# Altium PCB UNT 3-ALL.pcbdoc (part 1 of 4)
Units mm, origin at the board's own origin, x right, y up, seen from the top; angles counter-clockwise.
Board outline 81.66 x 106.01 mm, 4 copper layers (Top Layer, Mid Layer 1, Mid Layer 2, Bottom Layer), stack 0.778 mm thick; 401 components, 151 nets, 1332 pads, 708 vias.
Unrouted connection lines stored in the file: 121.
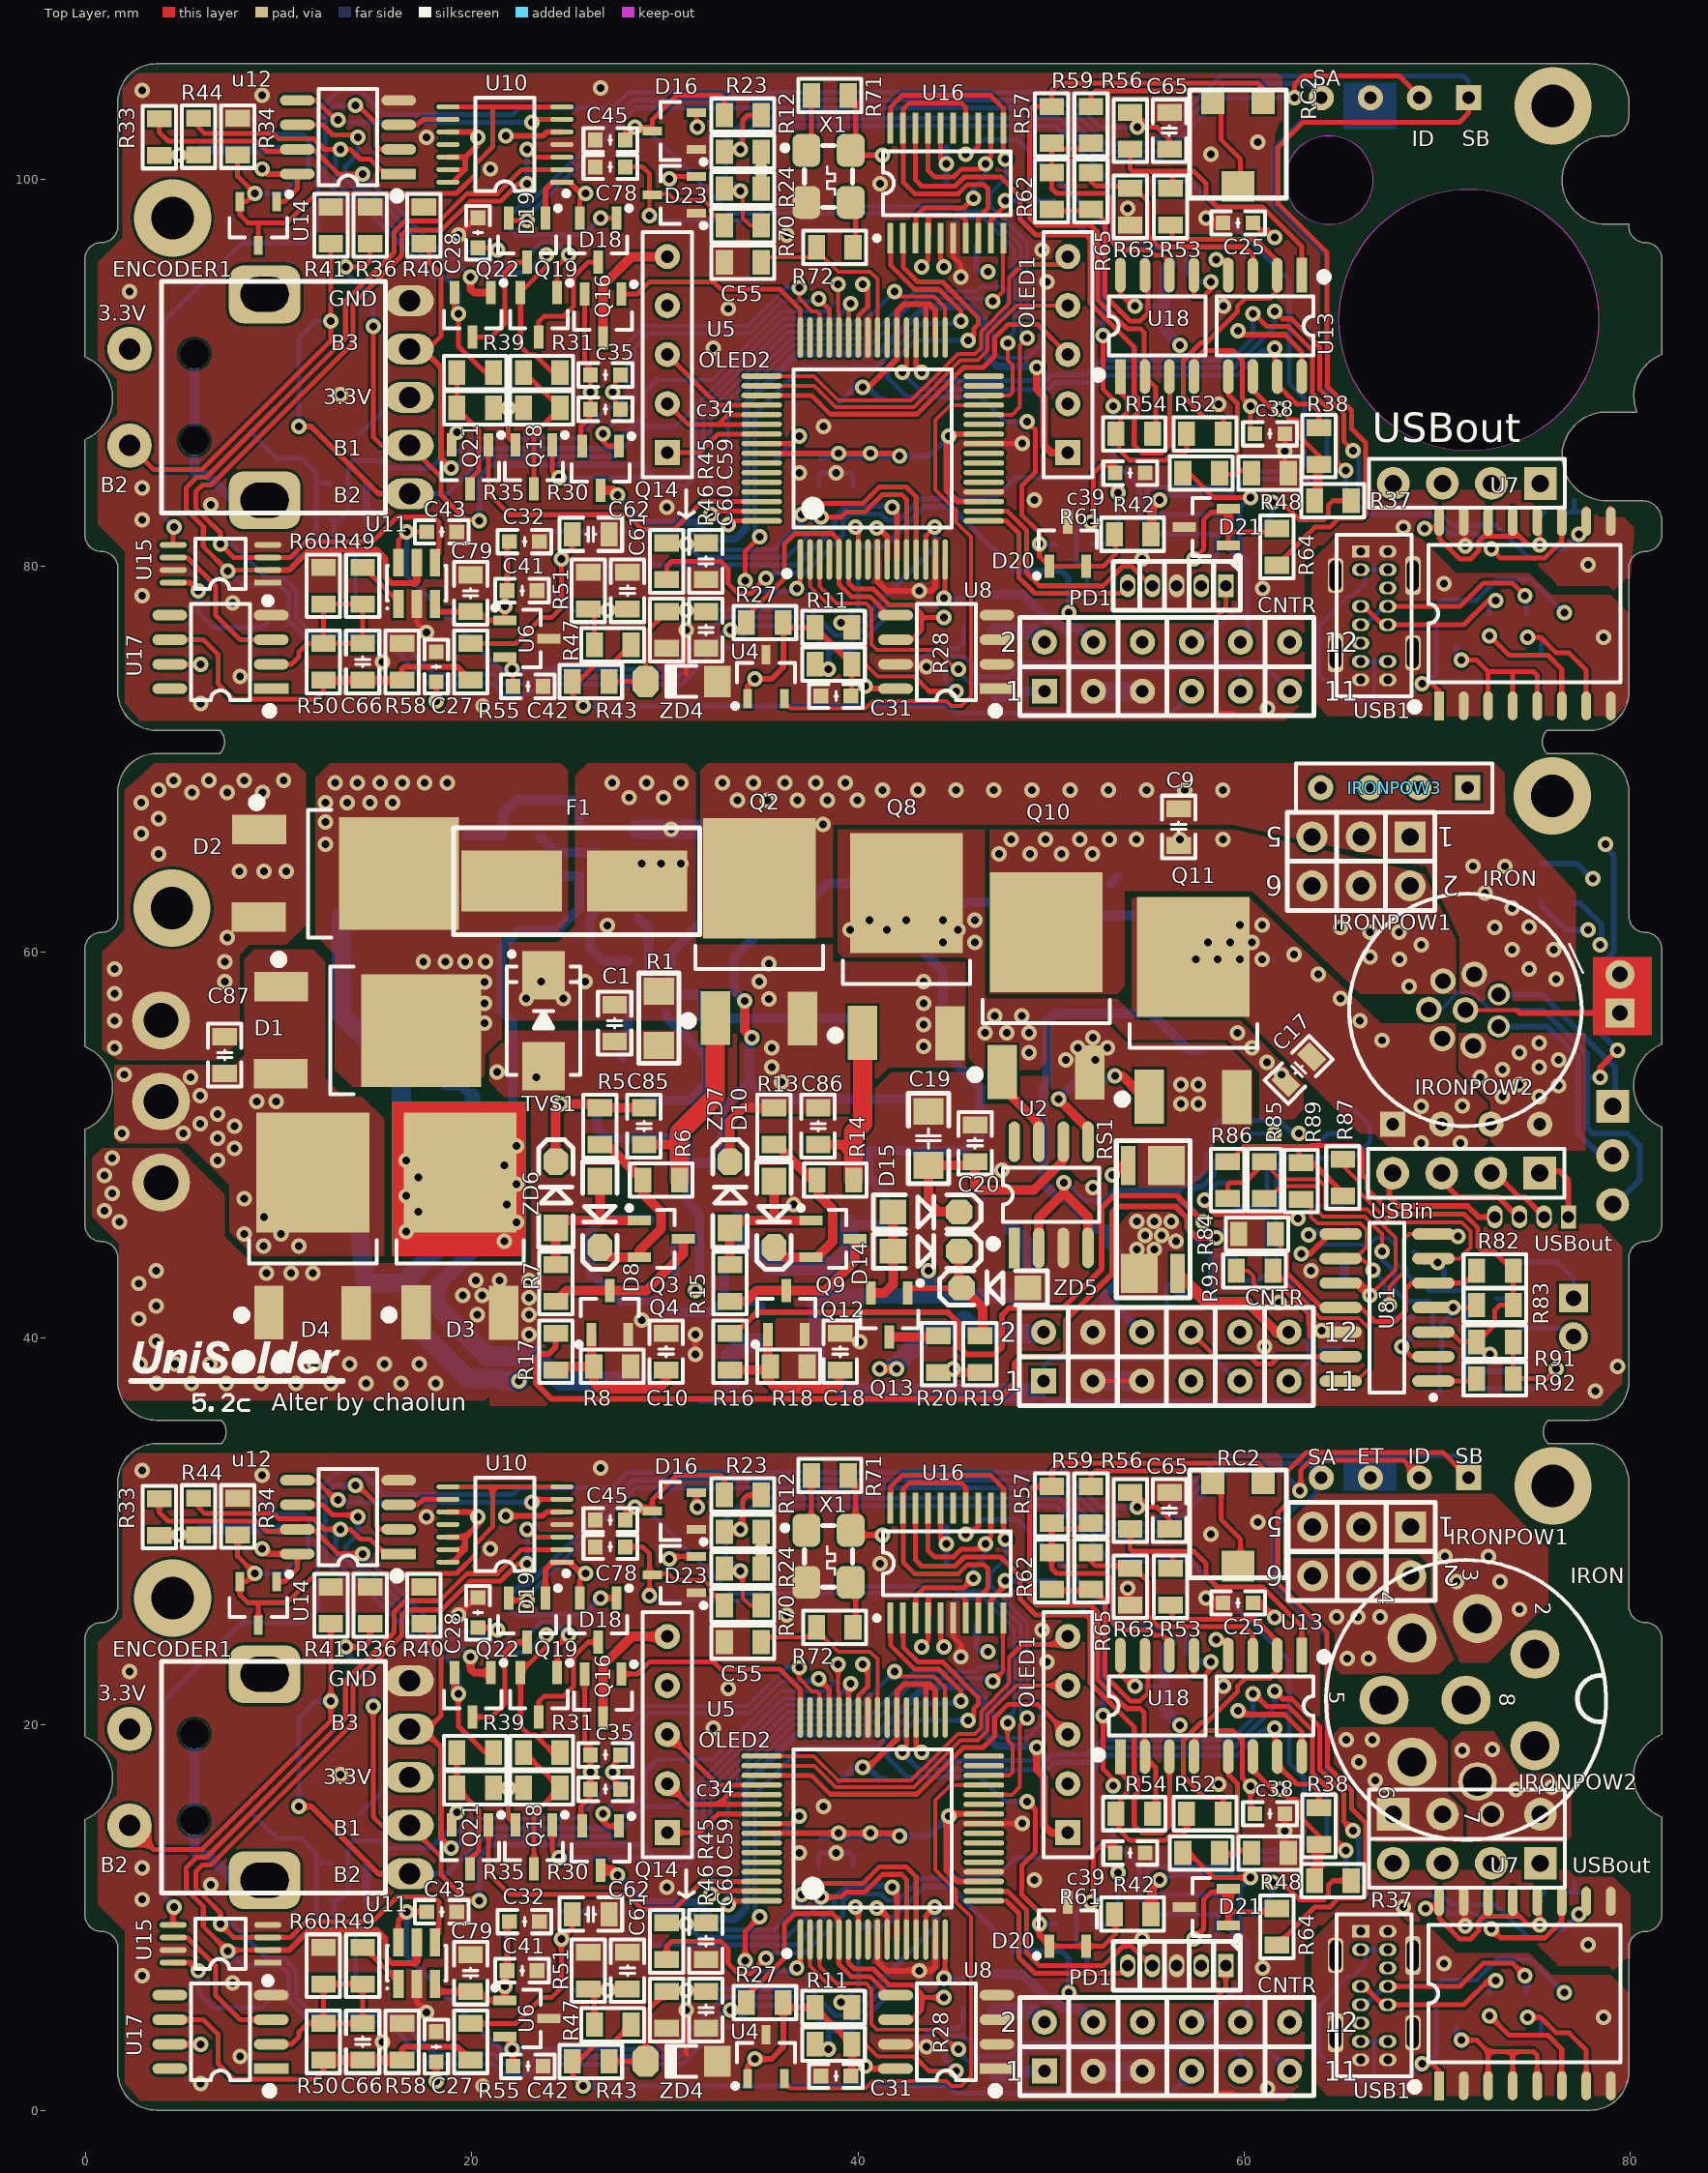
[diagram p0: Top Layer view]
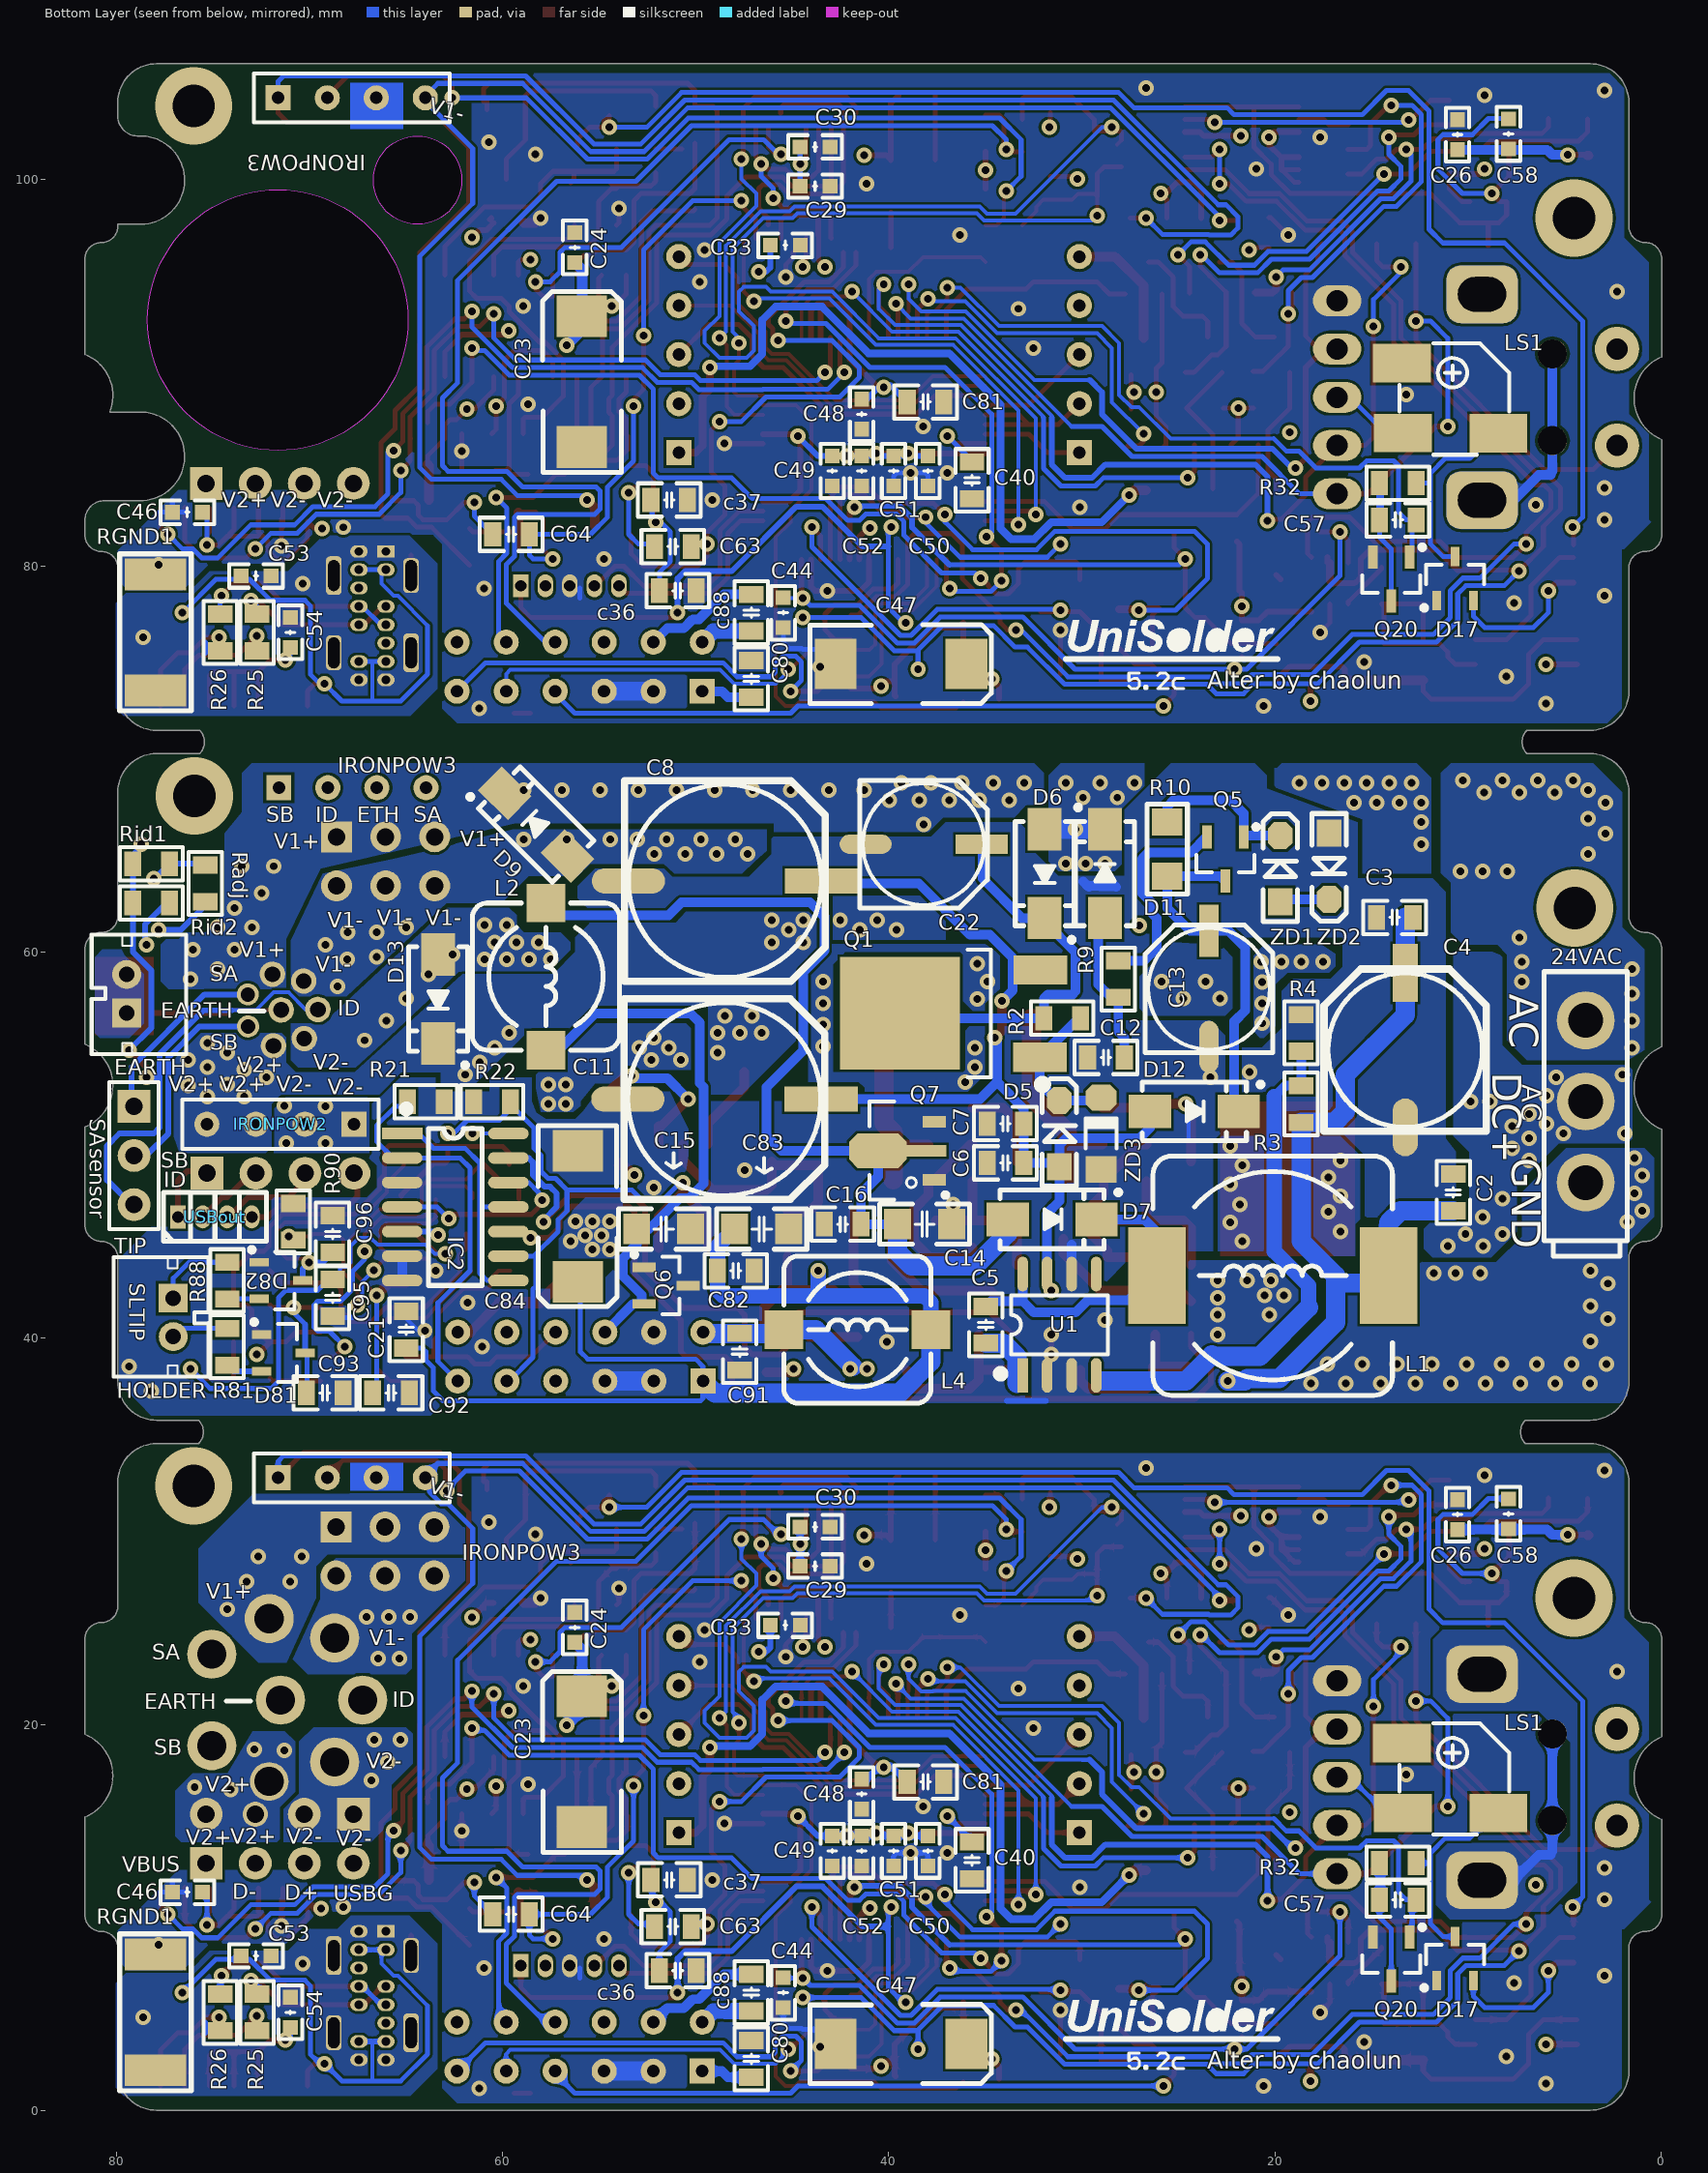
[diagram p1: Bottom Layer view, seen from below]
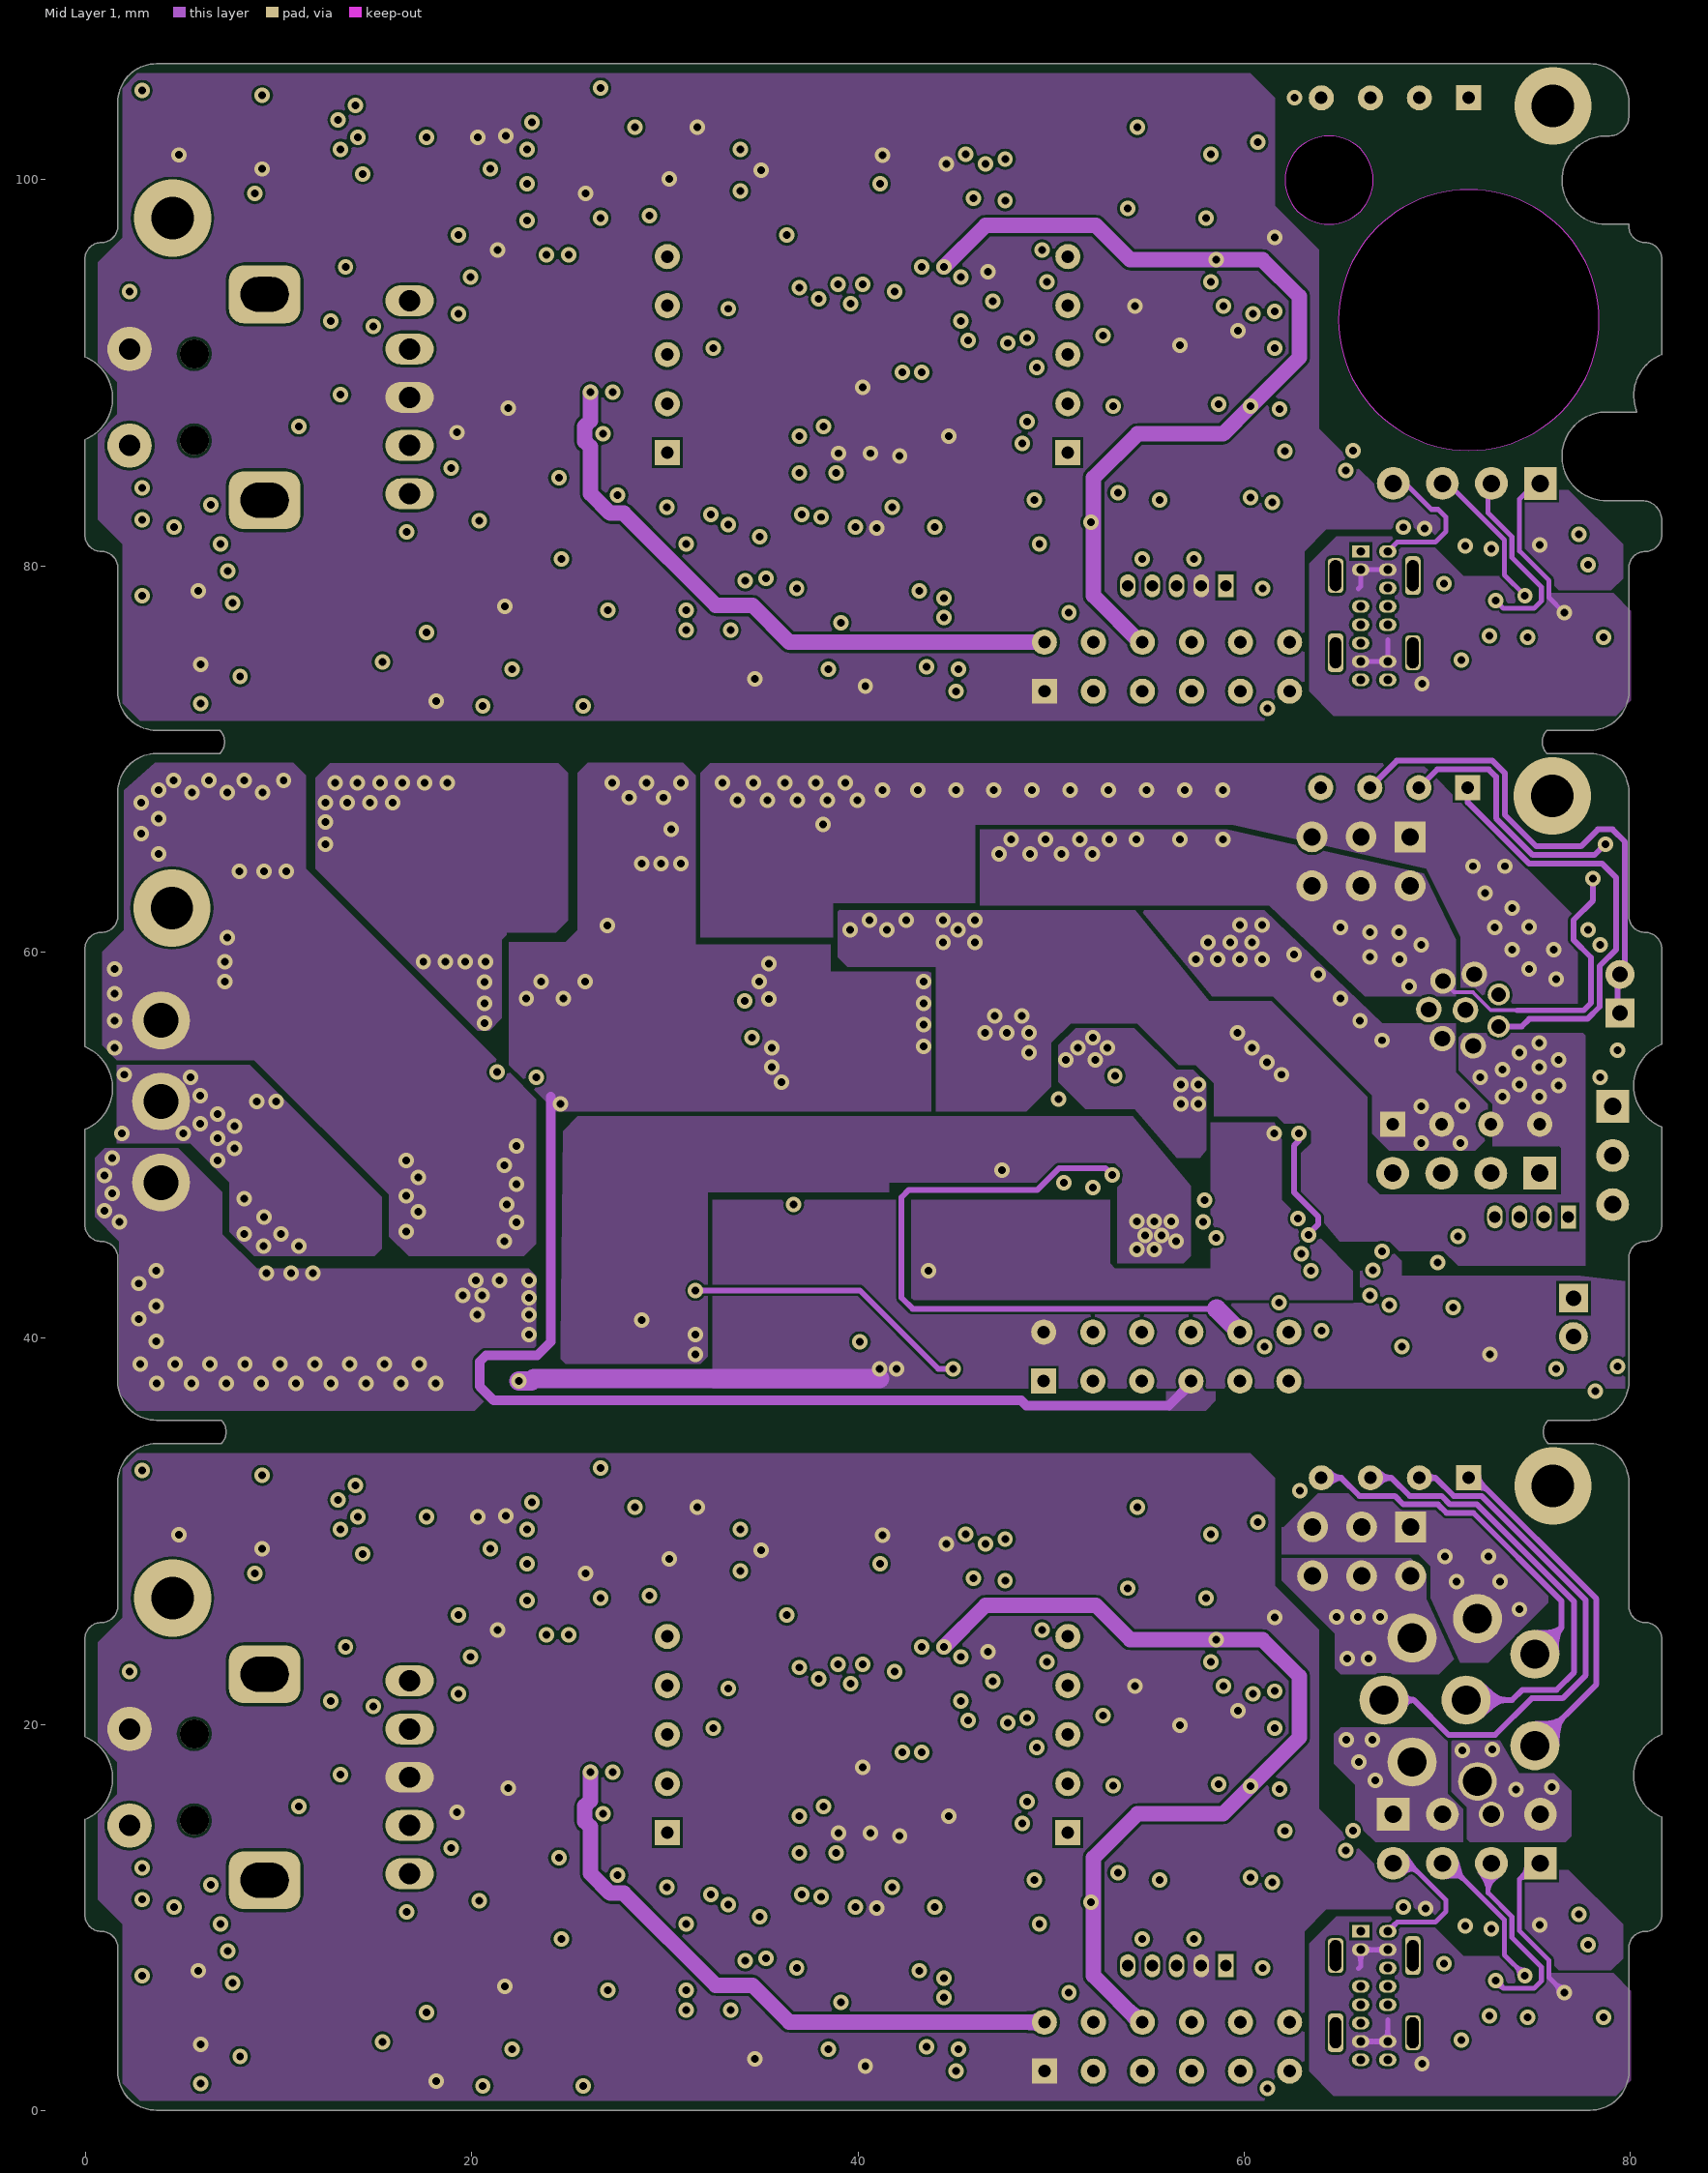
[diagram p2: Mid Layer 1]
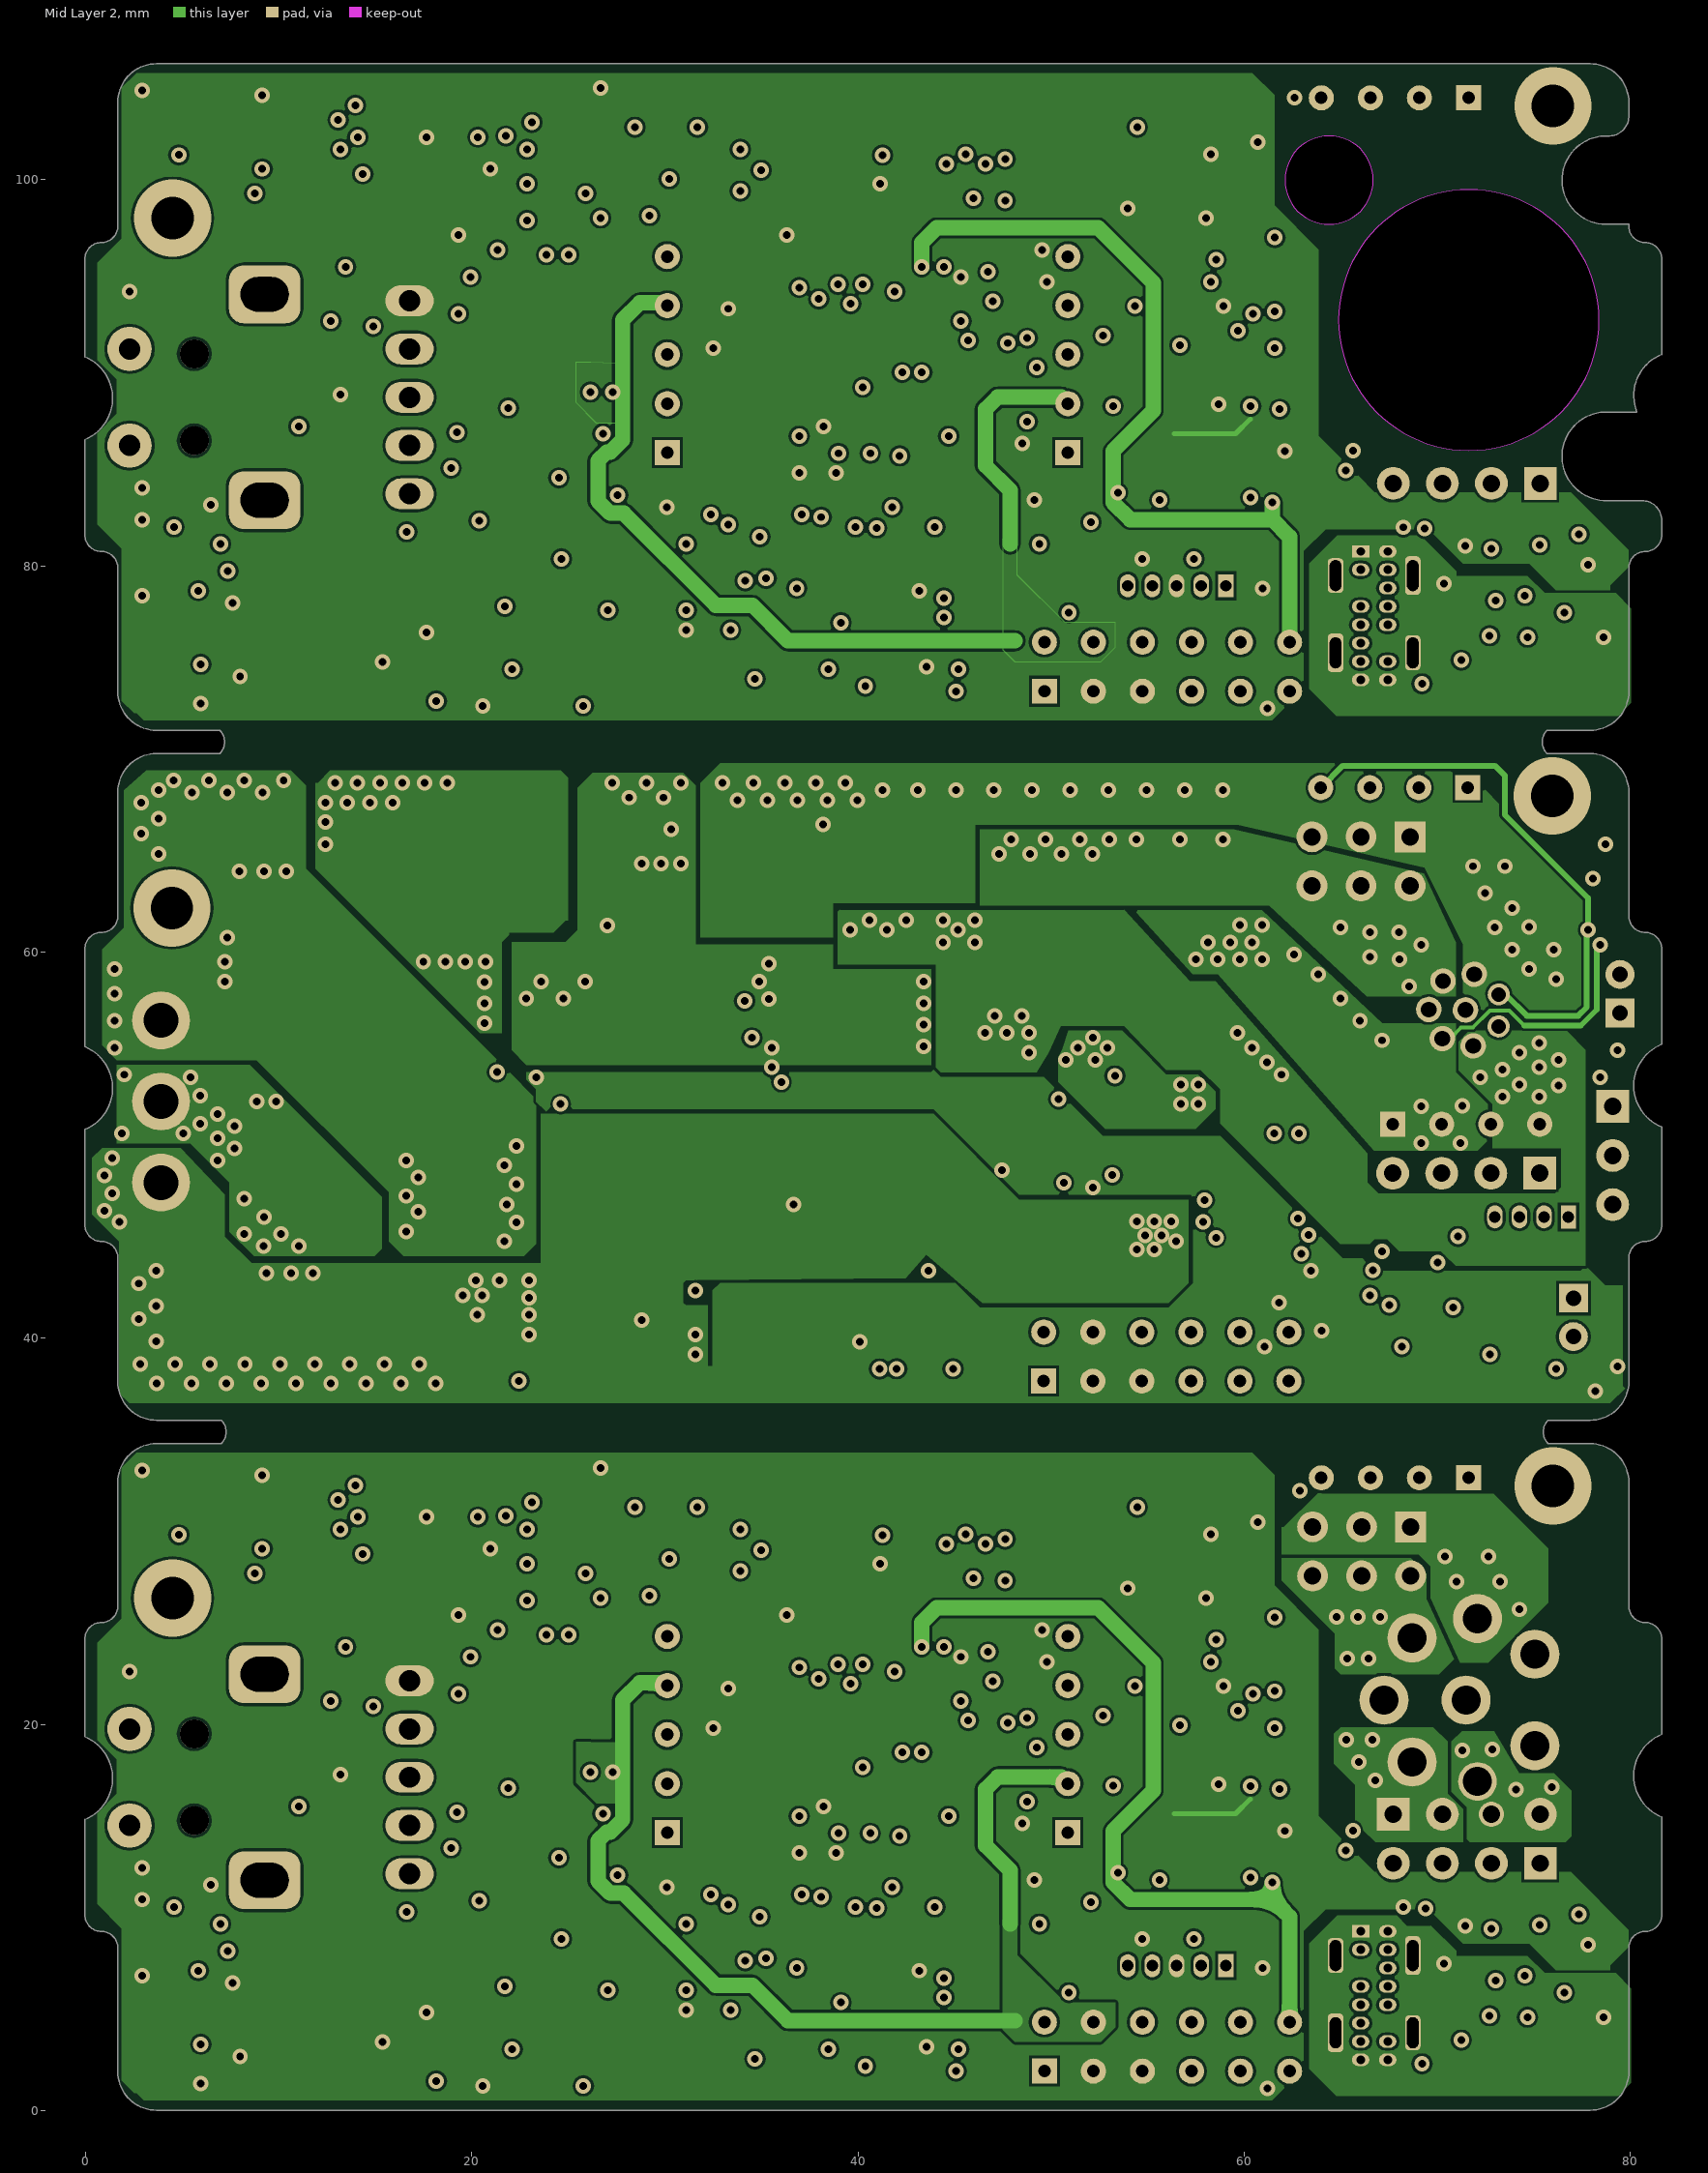
[diagram p3: Mid Layer 2]

## Layer stack, top to bottom
Top Solder: solder mask 0.0102, Solder Resist, Dk 3.5
Top Layer: signal copper 0.0356
Dielectric 1: core 0.254, FR-4, Dk 4.2
Mid Layer 1: signal copper 0.036
Dielectric 3: prepreg 0.127, Dk 4.2
Mid Layer 2: signal copper 0.036
Dielectric 2: core 0.254, Dk 4.2
Bottom Layer: signal copper 0.0356
Bottom Solder: solder mask 0.0102, Solder Resist, Dk 3.5

## Board outline
-0.032,10.121 ccw(c0.818,10.121) 0.818,9.271 cw(c0.818,8.421) 1.668,8.421 1.668,2.008 ccw(c3.668,2.008) 3.668,0.008 77.929,0.008 ccw(c77.929,2.008) 79.929,2.008 79.929,8.419 cw(c80.779,8.419) 80.779,9.269 ccw(c80.779,10.119) 81.629,10.119 81.629,15.194 cw(c82.499,17.335) 81.629,19.477 81.629,24.423 ccw(c80.779,24.423) 80.779,25.273 cw(c80.779,26.123) 79.929,26.123 79.929,32.536 ccw(c77.929,32.536) 77.929,34.536 75.751,34.536 cw(c76.359,35.144) 75.751,35.752 77.929,35.752 ccw(c77.929,37.752) 79.929,37.752 79.929,44.163 cw(c80.779,44.163) 80.779,45.013 ccw(c80.779,45.863) 81.629,45.863 81.629,50.938 cw(c82.499,53.08) 81.629,55.221 81.629,60.167 ccw(c80.779,60.167) 80.779,61.017 cw(c80.779,61.867) 79.929,61.867 79.929,68.28 ccw(c77.929,68.28) 77.929,70.28 75.692,70.28 cw(c76.296,70.884) 75.692,71.488 77.929,71.488 ccw(c77.929,73.488) 79.929,73.488 79.929,79.899 cw(c80.779,79.899) 80.779,80.749 ccw(c80.779,81.599) 81.629,81.599 81.629,82.38 ccw(c80.629,82.38) 80.629,83.38 78.8,83.38 cw(c78.766,85.679) 78.848,87.976 80.345,87.976 cw(c82.478,88.825) 81.629,90.957 81.629,95.903 ccw(c80.779,95.903) 80.779,96.753 cw(c80.779,97.603) 79.934,97.699 79.935,97.699 78.724,97.699 cw(c78.76,99.988) 78.848,102.276 ccw(c78.901,103.304) 79.929,103.251 79.929,104.016 ccw(c77.929,104.016) 77.929,106.016 3.668,106.016 ccw(c3.668,104.016) 1.668,104.016 1.668,97.602 cw(c0.818,97.602) 0.818,96.752 ccw(c0.818,95.902) -0.032,95.902 -0.032,90.83 cw(c-0.921,88.688) -0.032,86.547 -0.032,81.601 ccw(c0.818,81.601) 0.818,80.751 cw(c0.818,79.901) 1.668,79.901 1.668,73.488 ccw(c3.668,73.488) 3.668,71.488 6.946,71.488 cw(c6.342,70.884) 6.946,70.28 3.668,70.28 ccw(c3.668,68.28) 1.668,68.28 1.668,61.866 cw(c0.818,61.866) 0.818,61.016 ccw(c0.818,60.166) -0.032,60.166 -0.032,55.094 cw(c-0.921,52.953) -0.032,50.811 -0.032,45.865 ccw(c0.818,45.865) 0.818,45.015 cw(c0.818,44.165) 1.668,44.165 1.668,37.752 ccw(c3.668,37.752) 3.668,35.752 7.025,35.752 cw(c6.417,35.144) 7.025,34.536 3.668,34.536 ccw(c3.668,32.536) 1.668,32.536 1.668,26.122 cw(c0.818,26.122) 0.818,25.272 ccw(c0.818,24.422) -0.032,24.422 -0.032,19.35 cw(c-0.921,17.209) -0.032,15.067
cut-out: 64.894,92.738 ccw(c71.644,92.738) 71.644,85.988 ccw(c71.644,92.738) 78.394,92.738 ccw(c71.644,92.738) 71.644,99.488 ccw(c71.644,92.738)
cut-out: 62.114,99.988 ccw(c64.404,99.988) 64.404,97.698 ccw(c64.404,99.988) 66.694,99.988 ccw(c64.404,99.988) 64.404,102.278 ccw(c64.404,99.988)

## Design rules (kind name [scope] priority, off if disabled: settings)
Clearance [All] p1: gap=0.14 ignorepadtopadclearanceinfootprint=FALSE except(0: Arc-Hole Track-Hole SMDPad-Hole THPad-Hole Via-Hole Fill-Hole Poly-Hole Region-Hole Text-Hole)
MinimumSolderMaskSliver [All] p1: minsoldermaskwidth=0.14
PlaneConnect [All] p1: planeconnectstyle=Direct reliefexpansion=0.508 reliefentries=4 reliefconductorwidth=0.254 reliefairgap=0.254
PolygonConnect [All] p1: connectstyle=Direct reliefconductorwidth=0.254 reliefentries=4 polygonreliefangle="90 Angle" airgapwidth=0.2
RoomDefinition un5.2控制板JBC [InComponentClass('un5.2控制板JBC')] p1: confinementstyle=ConfineIn formatcopy=TRUE lockcomponents=FALSE outline 0,106.151 81.661,106.151 81.661,71.48 0,71.48
RoomDefinition LM339休眠+换头板 [InComponentClass('LM339休眠+换头板')] p2: confinementstyle=ConfineIn formatcopy=TRUE lockcomponents=FALSE outline 40.481,36.671 82.01,36.671 82.01,57.118 40.481,57.118
RoomDefinition "un5.2 功率板lemo挖" [InComponentClass('un5.2 功率板lemo挖')] p3: confinementstyle=ConfineIn formatcopy=TRUE lockcomponents=FALSE outline -0.032,36.252 81.629,36.252 81.629,70.161 -0.032,70.161
RoomDefinition un5.2控制板GX16 [InComponentClass('un5.2控制板GX16')] p4: confinementstyle=ConfineIn formatcopy=TRUE lockcomponents=FALSE outline 0,34.671 81.661,34.671 81.661,0 0,0
RoutingVias [All] p1: holewidth=0.4 width=0.8 viastyle="Through Hole" minholewidth=0.4 minwidth=0.8 maxholewidth=0.711 maxwidth=1.27
SilkToSilkClearance [All] p1: silktosilkclearance=0.01
SilkToSolderMaskClearance [IsPad] p1: minsilkscreentomaskgap=0.1 clearancetoexposedcopper=TRUE
SolderMaskExpansion [All] p1: expansion=0.102 istentingtop=FALSE
Width [All] p1: maxlimit=1 minlimit=0.2 preferedwidth=0.3
26 further rules are at their usual default settings.

## Classes and differential pairs
component class un5.2控制板GX16: C23 C24 C25 C26 C27 C28 C29 C30 C31 C32 C33 c34 c35 c36 c37 c38 c39 C40 C41 C42 C43 C44 C45 C46 C47 C48 C49 C50 C51 C52 C53 C54 C55 C57 C58 C59 C60 C61 C62 C63 C64 C65 C66 C78 C79 C80 C81 c88 CNTR D16 D17 D18 D19 D20 D21 D23 ENCODER1 IRON IRONPOW1 IRONPOW2 IRONPOW3 LS1 OLED1 OLED2 PD1 PWR Q14 Q16 Q18 Q19 Q20 Q21 Q22 R11 R12 R23 R24 R25 R26 R27 R28 R30 R31 R32 R33 R34 R35 R36 R37 R38 R39 R40 R41 R42 R43 R44 R45 R46 R47 R48 R49 R50 R51 R52 R53 R54 R55 R56 R57 R58 R59 R60 R61 R62 R63 R64 R65 R70 R71 R72 RC2 RGND1 U4 U5 U6 U7 U8 U10 U11 u12 U13 U14 U15 U16 U17 U18 USB1 USBout X1 ZD4
